# Altium PCB HIVE_BOARD.PcbDoc (part 1 of 9) (continued)
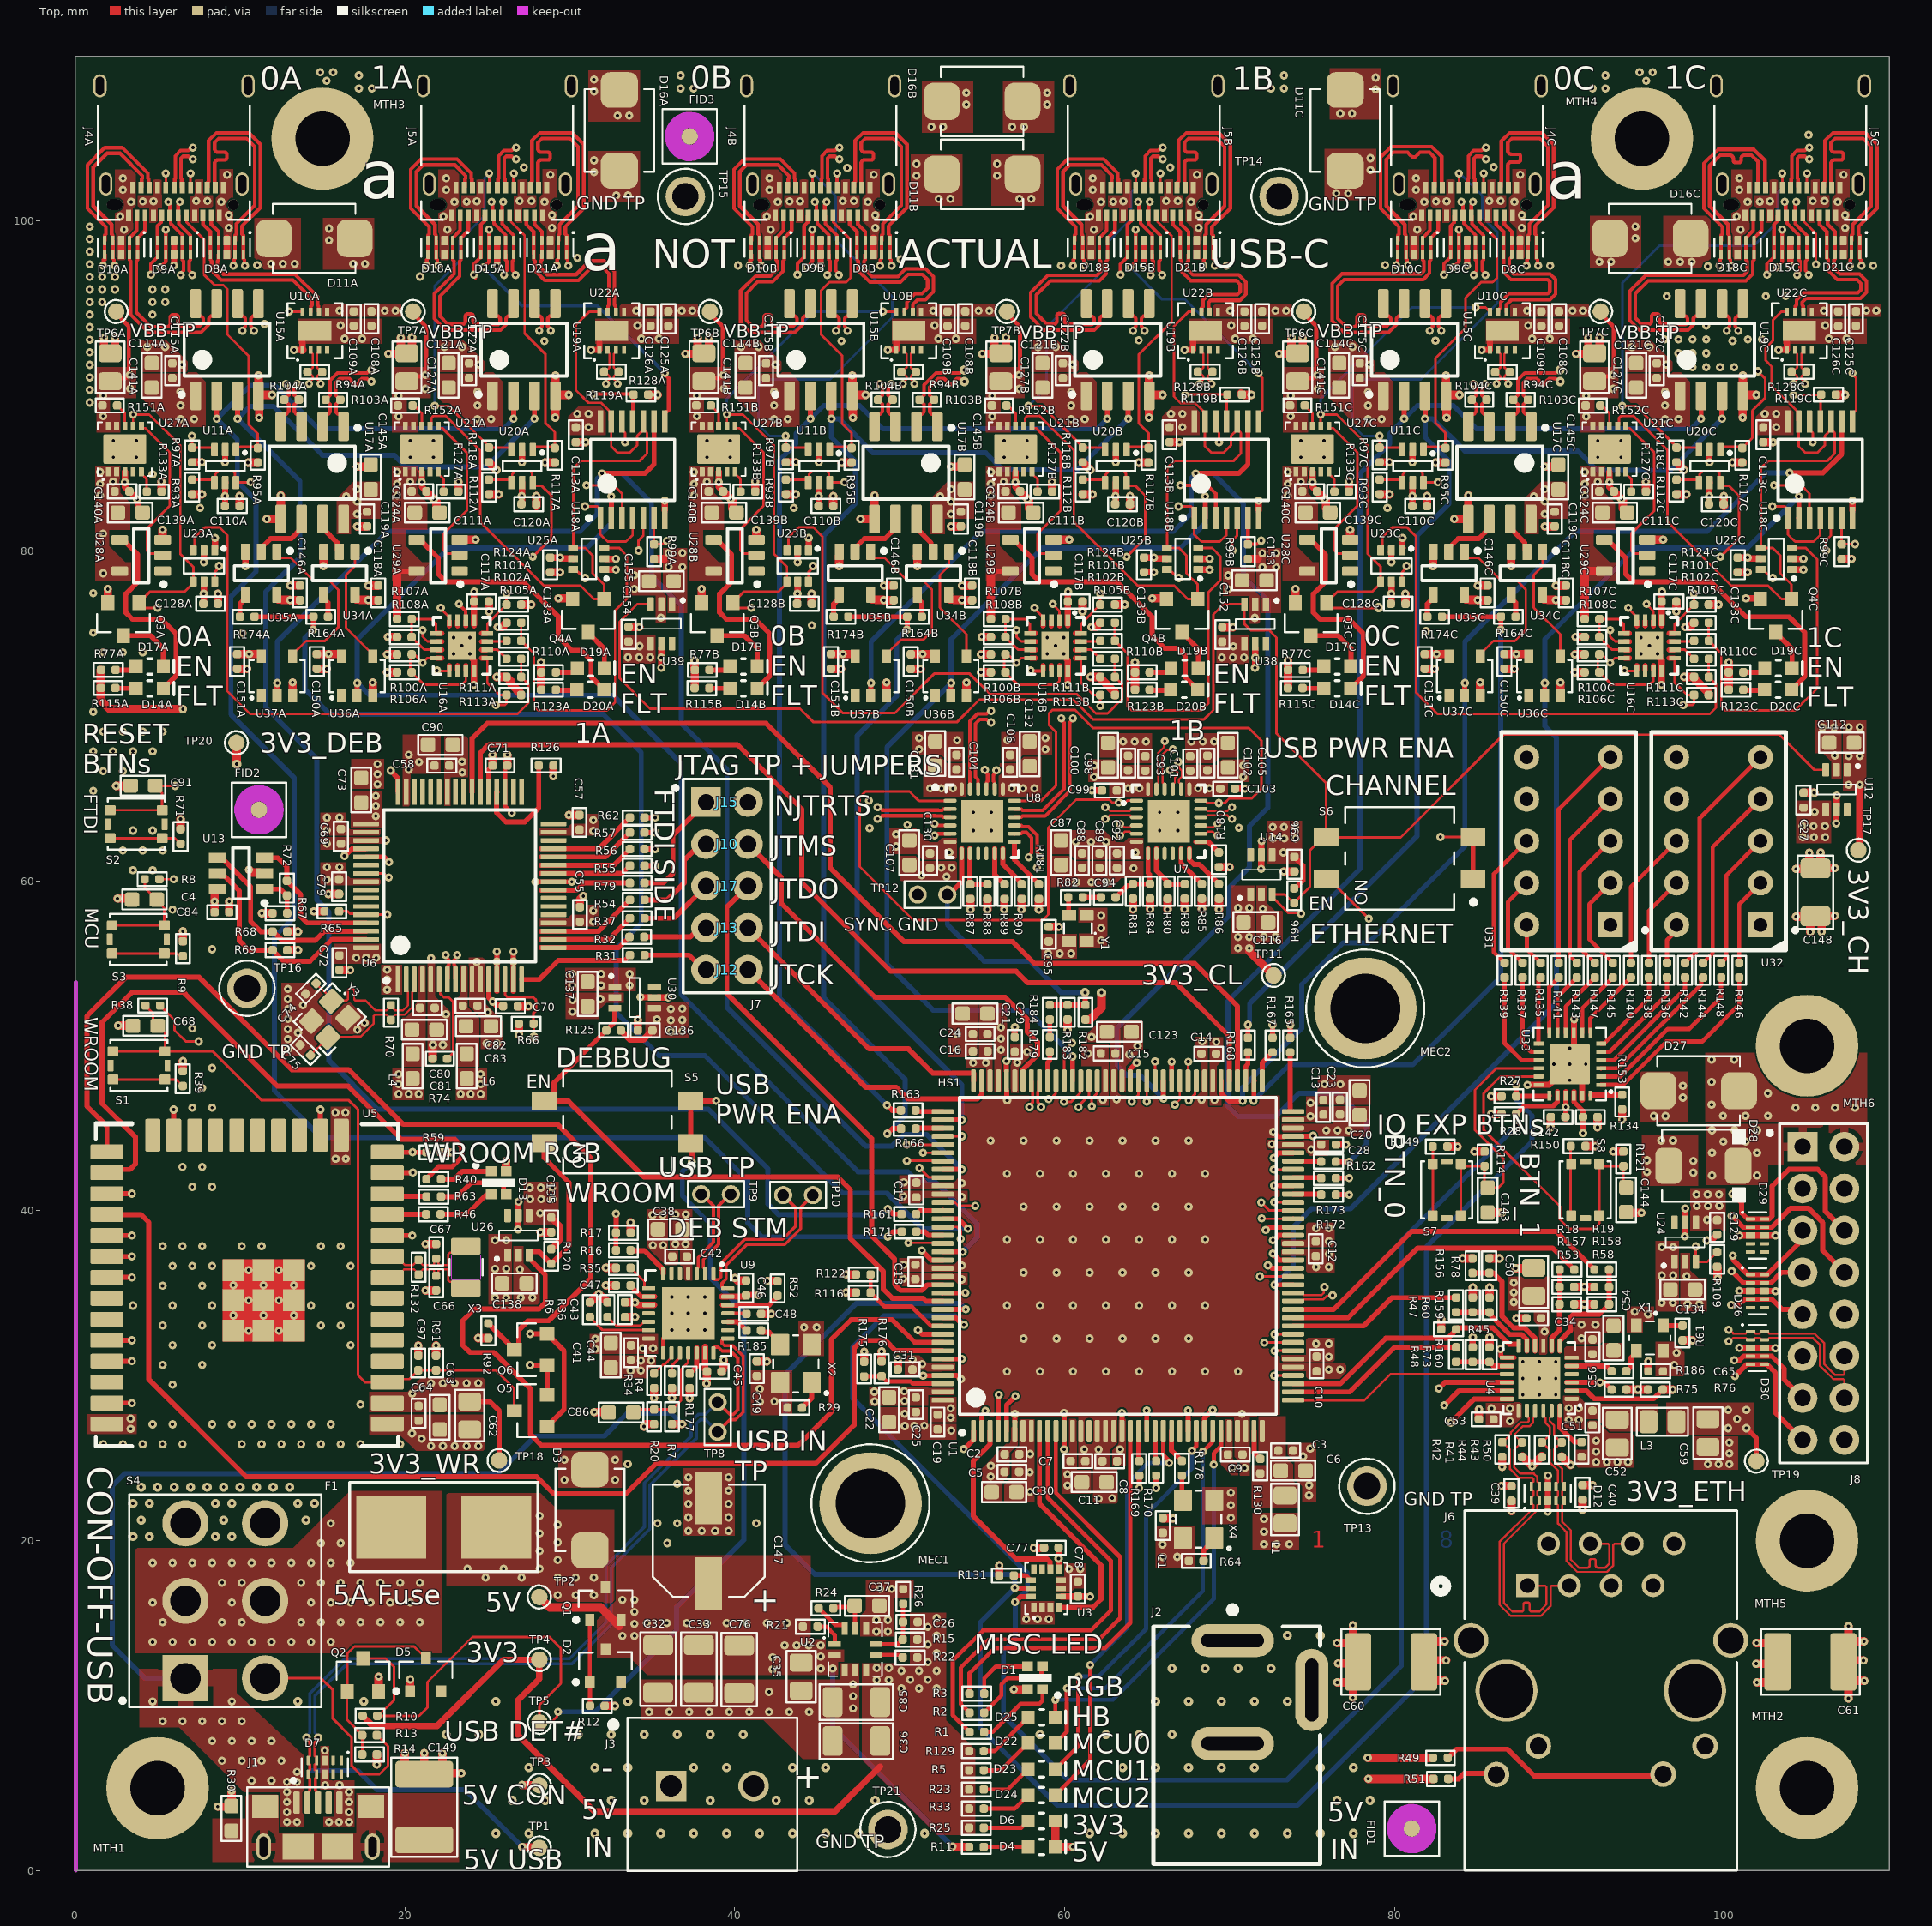
[diagram p0: Top view]
## Classes and differential pairs (continued)
component class "CHAN 0A + 1A": C108A C109A C110A C111A C113A C114A C115A C117A C118A C119A C120A C121A C122A C124A C125A C126A C127A C128A C133A C139A C140A C141A C145A C146A C150A C151A D8A D9A D10A D11A D14A D15A D16A D17A D18A D19A D20A D21A J4A J5A Q3A Q4A R77A R93A R94A R95A R97A R99A R100A R101A R102A R103A R104A R105A R106A R107A R108A R110A R111A R112A R113A R115A R117A R118A R119A R123A R124A R127A R128A R133A R151A R152A R154A R155A R164A R174A TP6A TP7A U10A U11A U15A U16A U17A U18A U19A U20A U21A U22A U23A U25A U27A U28A U29A U34A U35A U36A U37A
differential pair 12M_X: +12M_X_P -12M_X_N
differential pair MEZ_ADC1: +MEZ_ADC1_P -MEZ_ADC1_N
differential pair USB_STM_D: +USB_STM_D_P -USB_STM_D_N
differential pair USB_D: +USB_D_P -USB_D_N
differential pair USB_DEBUG: +USB_DEBUG_P -USB_DEBUG_N
differential pair SYNC_1C: +SYNC_1C_P -SYNC_1C_N
differential pair SYNC_1B: +SYNC_1B_P -SYNC_1B_N
differential pair SYNC_1A: +SYNC_1A_P -SYNC_1A_N
differential pair SYNC_0C: +SYNC_0C_P -SYNC_0C_N
differential pair SYNC_0B: +SYNC_0B_P -SYNC_0B_N
differential pair SYNC_0A: +SYNC_0A_P -SYNC_0A_N
differential pair ETH_TX: +ETH_TX_P -ETH_TX_N
differential pair ETH_RX: +ETH_RX_P -ETH_RX_N
differential pair CLK_1C: +CLK_1C_P -CLK_1C_N
differential pair CLK_1B: +CLK_1B_P -CLK_1B_N
differential pair CLK_1A: +CLK_1A_P -CLK_1A_N
differential pair CLK_0C: +CLK_0C_P -CLK_0C_N
differential pair CLK_0B: +CLK_0B_P -CLK_0B_N
differential pair CLK_0A: +CLK_0A_P -CLK_0A_N
differential pair BB_SPI_MOSI_1C: +BB_SPI_MOSI_1B_P -BB_SPI_MOSI_1B_N
differential pair BB_SPI_MOSI_1B: +BB_SPI_MOSI_1C_P -BB_SPI_MOSI_1C_N
differential pair BB_SPI_MOSI_1A: +BB_SPI_MOSI_1A_P -BB_SPI_MOSI_1A_N
differential pair BB_SPI_MOSI_0C: +BB_SPI_MOSI_0B_P -BB_SPI_MOSI_0B_N
differential pair BB_SPI_MOSI_0B: +BB_SPI_MOSI_0C_P -BB_SPI_MOSI_0C_N
differential pair BB_SPI_MOSI_0A: +BB_SPI_MOSI_0A_P -BB_SPI_MOSI_0A_N
differential pair BB_SPI_MISO_1C: +BB_SPI_MISO_1B_P -BB_SPI_MISO_1B_N
differential pair BB_SPI_MISO_1B: +BB_SPI_MISO_1C_P -BB_SPI_MISO_1C_N
differential pair BB_SPI_MISO_1A: +BB_SPI_MISO_1A_P -BB_SPI_MISO_1A_N
differential pair BB_SPI_MISO_0C: +BB_SPI_MISO_0B_P -BB_SPI_MISO_0B_N
differential pair BB_SPI_MISO_0B: +BB_SPI_MISO_0C_P -BB_SPI_MISO_0C_N
differential pair BB_SPI_MISO_0A: +BB_SPI_MISO_0A_P -BB_SPI_MISO_0A_N
differential pair BB_SPI_CLK_1C: +BB_SPI_CLK_1B_P -BB_SPI_CLK_1B_N
differential pair BB_SPI_CLK_1B: +BB_SPI_CLK_1C_P -BB_SPI_CLK_1C_N
differential pair BB_SPI_CLK_1A: +BB_SPI_CLK_1A_P -BB_SPI_CLK_1A_N
differential pair BB_SPI_CLK_0C: +BB_SPI_CLK_0B_P -BB_SPI_CLK_0B_N
differential pair BB_SPI_CLK_0B: +BB_SPI_CLK_0C_P -BB_SPI_CLK_0C_N
differential pair BB_SPI_CLK_0A: +BB_SPI_CLK_0A_P -BB_SPI_CLK_0A_N
differential pair BB_CLK_1C: +BB_CLK_1B_P -BB_CLK_1B_N
differential pair BB_CLK_1B: +BB_CLK_1C_P -BB_CLK_1C_N
differential pair BB_CLK_1A: +BB_CLK_1A_P -BB_CLK_1A_N
differential pair BB_CLK_0C: +BB_CLK_0B_P -BB_CLK_0B_N
differential pair BB_CLK_0B: +BB_CLK_0C_P -BB_CLK_0C_N
differential pair BB_CLK_0A: +BB_CLK_0A_P -BB_CLK_0A_N
differential pair 32K_X: +32K_X_P -32K_X_N

## Components (designator, comment, footprint, x,y, rotation, side; value= is the part's Value field where it differs from the comment)
C1 "CGA2B3X7R1E104K050BB" CAP_CER_0402 65.946,20.919 r270 top value=100nF
C2 "CGA2B3X7R1E104K050BB" CAP_CER_0402 56.806,25.237 r180 top value=100nF
C3 "CGA2B3X7R1E104K050BB" CAP_CER_0402 73.393,25.468 r180 top value=100nF
C4 "C0603C105K8PACTU" CAP_CER_0603 4.21,58.871 r180 top value=1uF
C5 "CGA2B3X7R1E104K050BB" CAP_CER_0402 56.793,24.171 r0 top value=100nF
C6 "C0603C105K8PACTU" CAP_CER_0603 73.85,24.249 r0 top value=1uF
C7 "CGA2B3X7R1E104K050BB" CAP_CER_0402 60.805,24.825 r0 top value=100nF
C8 "CGA2B3X7R1E104K050BB" CAP_CER_0402 62.732,24.821 r180 top value=100nF
C9 "CGA2B3X7R1E104K050BB" CAP_CER_0402 70.333,25.222 r0 top value=100nF
C10 "CGA2B3X7R1E104K050BB" CAP_CER_0402 75.27,30.713 r270 top value=100nF
C11 "CL10A475MA8NQNC" CAP_CER_0603 61.796,23.551 r180 top value=4.7uF
C12 "CGA2B3X7R1E104K050BB" CAP_CER_0402 75.22,37.696 r270 top value=100nF
C13 "CGA2B3X7R1E104K050BB" CAP_CER_0402 75.682,46.272 r90 top value=100nF
C14 "CGA2B3X7R1E104K050BB" CAP_CER_0402 68.73,49.514 r180 top value=100nF
C15 "CGA2B3X7R1E104K050BB" CAP_CER_0402 62.636,49.53 r0 top value=100nF
C16 "CGA2B3X7R1E104K050BB" CAP_CER_0402 54.879,49.664 r180 top value=100nF
C17 "CGA2B3X7R1E104K050BB" CAP_CER_0402 51.003,41.262 r90 top value=100nF
C18 "CGA2B3X7R1E104K050BB" CAP_CER_0402 50.945,36.295 r90 top value=100nF
C19 "CGA2B3X7R1E104K050BB" CAP_CER_0402 52.29,27.191 r270 top value=100nF
C20 "CL10A475MA8NQNC" CAP_CER_0603 77.878,46.545 r270 top value=4.7uF
C21 "CL10A475MA8NQNC" CAP_CER_0603 54.567,51.955 r0 top value=4.7uF
C22 "CL10A475MA8NQNC" CAP_CER_0603 49.352,27.94 r90 top value=4.7uF
C23 "CGA2B3X7R1E104K050BB" CAP_CER_0402 76.69,46.286 r270 top value=100nF
C24 "CGA2B3X7R1E104K050BB" CAP_CER_0402 54.874,50.715 r0 top value=100nF
C25 "CGA2B3X7R1E104K050BB" CAP_CER_0402 50.977,28.24 r90 top value=100nF
C26 "CL05C390JB51PNC" CAP_CER_0402 50.641,15.071 r0 top value=39pF
C27 "CGA2B3X7R1E104K050BB" CAP_CER_0402 104.79,64.895 r90 top value=100nF
C28 "C1005X5R1V225K050BC" CAP_CER_0402 76.001,44.017 r180 top value=2.2uF
C29 "C1005X5R1V225K050BC" CAP_CER_0402 56.972,50.083 r270 top value=2.2uF
C30 "C0603C105K8PACTU" CAP_CER_0603 56.329,22.944 r180 top value=1uF
C31 "C1005X5R1V225K050BC" CAP_CER_0402 50.324,30.372 r0 top value=2.2uF
C32 "CL31A226KAHNNNE" CAP_CER_1206 35.354,12.22 r90 top value=22uF
C33 "CL31A226KAHNNNE" CAP_CER_1206 37.818,12.22 r90 top value=22uF
C34 "CGA2B3X7R1E104K050BB" CAP_CER_0402 88.436,33.482 r0 top value=100nF
C35 "LMK212BJ106KG-T" CAP_CER_0805 44.023,11.757 r90 top value=10uF
C36 "CL31A226KAHNNNE" CAP_CER_1206 47.371,7.847 r0 top value=22uF
C37 "C0603C105K8PACTU" CAP_CER_0603 48.013,16.052 r0 top value=1uF
C38 "C0603C105K8PACTU" CAP_CER_0603 36.088,38.877 r180 top value=1uF
C39 "CGA2B3X7R1E104K050BB" CAP_CER_0402 87.086,22.864 r90 top value=100nF
C40 "CGA2B3X7R1E104K050BB" CAP_CER_0402 91.396,22.934 r90 top value=100nF
C41 "CL10A475KP8NNNC" CAP_CER_0603 32.479,31.251 r90 top value=4.7uF
C42 "CGA2B3X7R1E104K050BB" CAP_CER_0402 36.658,37.232 r0 top value=100nF
C43 "CGA2B3X7R1E104K050BB" CAP_CER_0402 33.337,34.003 r90 top value=100nF
C44 "CGA2B3X7R1E104K050BB" CAP_CER_0402 33.706,31.396 r90 top value=100nF
C45 "CGA2B3X7R1E104K050BB" CAP_CER_0402 38.758,30.251 r180 top value=100nF
C46 "CGA2B3X7R1E104K050BB" CAP_CER_0402 40.686,35.318 r270 top value=100nF
C47 "CGA2B3X7R1E104K050BB" CAP_CER_0402 33.238,35.473 r0 top value=100nF
C48 "CGA2B3X7R1E104K050BB" CAP_CER_0402 41.152,33.746 r180 top value=100nF
C49 "CGA2B3X7R1E104K050BB" CAP_CER_0402 41.334,30.422 r270 top value=100nF
C50 "LMK212BJ106KG-T" CAP_CER_0805 88.437,35.682 r270 top value=10uF
C51 "CGA2B3X7R1E104K050BB" CAP_CER_0402 91.999,27.432 r270 top value=100nF
C52 "LMK212BJ106KG-T" CAP_CER_0805 93.497,26.492 r270 top value=10uF
C53 "CGA2B3X7R1E104K050BB" CAP_CER_0402 85.555,27.351 r180 top value=100nF
C54 "C0603C105K8PACTU" CAP_CER_0603 93.269,32.283 r270 top value=1uF
C55 "CGA2B3X7R1E104K050BB" CAP_CER_0402 30.607,57.963 r90 top value=100nF
C56 "CC0402KRX7R9BB471" CAP_CER_0402 91.999,31.75 r270 top value=470pF
C57 "CGA2B3X7R1E104K050BB" CAP_CER_0402 30.582,63.551 r90 top value=100nF
C58 "CGA2B3X7R1E104K050BB" CAP_CER_0402 22.24,66.988 r180 top value=100nF
C59 "LMK212BJ106KG-T" CAP_CER_0805 99.003,26.524 r90 top value=10uF
C60 "885342211009" CAP_CER_1812 79.781,12.649 r180 top value=1nF
C61 "885342211009" CAP_CER_1812 105.213,12.649 r0 top value=1nF
C62 "LMK212BJ106KG-T" CAP_CER_0805 23.926,27.582 r90 top value=10uF
C63 "C0603C105K8PACTU" CAP_CER_0603 22.114,27.484 r270 top value=1uF
C64 "CGA2B3X7R1E104K050BB" CAP_CER_0402 20.831,27.718 r90 top value=100nF
C65 "CGA2B3X7R1E104K050BB" CAP_CER_0402 95.83,30.266 r180 top value=100nF
C66 "CC0402DRNPO9BN8R0" CAP_CER_0402 21.895,35.612 r90 top value=8pF
C67 "CC0402DRNPO9BN8R0" CAP_CER_0402 21.895,37.542 r270 top value=8pF
C68 "C0603C105K8PACTU" CAP_CER_0603 4.262,51.215 r180 top value=1uF
C69 "CGA2B3X7R1E104K050BB" CAP_CER_0402 16.121,62.706 r270 top value=100nF
C70 "CGA2B3X7R1E104K050BB" CAP_CER_0402 26.391,52.4 r0 top value=100nF
C71 "CGA2B3X7R1E104K050BB" CAP_CER_0402 25.758,66.991 r0 top value=100nF
C72 "CGA2B3X7R1E104K050BB" CAP_CER_0402 16.027,55.037 r270 top value=100nF
C73 "C1608X5R1C335K080AC" CAP_CER_0603 17.354,65.503 r270 top value=3.3uF
C74 "CC0402JRNPO9BN120" CAP_CER_0402 14.301,53.466 r45 top value=12pF
C75 "CC0402JRNPO9BN120" CAP_CER_0402 13.96,49.743 r315 top value=12pF
C76 "CL31A226KAHNNNE" CAP_CER_1206 40.266,12.196 r90 top value=22uF
C77 "CGA2B3X7R1E104K050BB" CAP_CER_0402 59.19,19.563 r180 top value=100nF
C78 "CGA2B3X7R1E104K050BB" CAP_CER_0402 60.805,17.074 r90 top value=100nF
C79 "CGA2B3X7R1E104K050BB" CAP_CER_0402 16.005,59.647 r270 top value=100nF
C80 "CGA2B3X7R1E104K050BB" CAP_CER_0402 21.361,52.299 r0 top value=100nF
C81 "CL10A475MA8NQNC" CAP_CER_0603 21.176,50.981 r180 top value=4.7uF
C82 "CGA2B3X7R1E104K050BB" CAP_CER_0402 23.952,52.426 r0 top value=100nF
C83 "CL10A475MA8NQNC" CAP_CER_0603 24.46,51.181 r180 top value=4.7uF
C84 "CGA2B3X7R1E104K050BB" CAP_CER_0402 8.901,58.098 r0 top value=100nF
C85 "CL31A226KAHNNNE" CAP_CER_1206 47.371,10.211 r0 top value=22uF
C86 "C0603C105K8PACTU" CAP_CER_0603 33.095,27.765 r180 top value=1uF
C87 "C0603C105K8PACTU" CAP_CER_0603 59.776,61.712 r270 top value=1uF
C88 "GRM155R71E473KA88J" CAP_CER_0402 61.05,61.229 r90 top value=47nF
C89 "GRM155R71E473KA88J" CAP_CER_0402 62.108,61.229 r90 top value=47nF
C90 "C0603C105K8PACTU" CAP_CER_0603 22.149,68.25 r180 top value=1uF
C91 "C0603C105K8PACTU" CAP_CER_0603 4.117,65.772 r180 top value=1uF
C92 "CL05B472KB5VPNC" CAP_CER_0402 63.172,61.229 r90 top value=4.7nF
C93 "CL05B472KB5VPNC" CAP_CER_0402 64.885,67.116 r270 top value=4.7nF
C94 "CGA2B3X7R1E104K050BB" CAP_CER_0402 62.645,59.003 r180 top value=100nF
C95 "CGA2B3X7R1E104K050BB" CAP_CER_0402 59.035,56.769 r270 top value=100nF
C96 "CGA2B3X7R1E104K050BB" CAP_CER_0402 73.923,61.016 r270 top value=100nF
C97 "CGA2B3X7R1E104K050BB" CAP_CER_0402 20.812,30.771 r270 top value=100nF
C98 "GRM155R71E473KA88J" CAP_CER_0402 63.839,67.141 r270 top value=47nF
C99 "GRM155R71E473KA88J" CAP_CER_0402 62.713,65.481 r0 top value=47nF
C100 "C0603C105K8PACTU" CAP_CER_0603 62.625,67.616 r90 top value=1uF
C101 "CL05B472KB5VPNC" CAP_CER_0402 67.607,67.116 r270 top value=4.7nF
C102 "GRM155R71E473KA88J" CAP_CER_0402 68.649,67.141 r270 top value=47nF
C103 "GRM155R71E473KA88J" CAP_CER_0402 69.875,65.583 r180 top value=47nF
C104 "CGA2B3X7R1E104K050BB" CAP_CER_0402 53.439,67.19 r270 top value=100nF
C105 "C0603C105K8PACTU" CAP_CER_0603 69.895,67.616 r90 top value=1uF
C106 "CGA2B3X7R1E104K050BB" CAP_CER_0402 56.689,67.19 r270 top value=100nF
C107 "C0603C105K8PACTU" CAP_CER_0603 50.582,61.712 r270 top value=1uF
C108A "GRM155R71E473KA88J" CAP_CER_0402 17.969,94.084 r90 top value=47nF (schematic designator C108)
C108B "GRM155R71E473KA88J" CAP_CER_0402 53.969,94.084 r90 top value=47nF (schematic designator C108)
C108C "GRM155R71E473KA88J" CAP_CER_0402 89.969,94.084 r90 top value=47nF (schematic designator C108)
C109A "CL05B472KB5VPNC" CAP_CER_0402 16.896,94.082 r90 top value=4.7nF (schematic designator C109)
C109B "CL05B472KB5VPNC" CAP_CER_0402 52.896,94.082 r90 top value=4.7nF (schematic designator C109)
C109C "CL05B472KB5VPNC" CAP_CER_0402 88.896,94.082 r90 top value=4.7nF (schematic designator C109)
C110A "CGA2B3X7R1E104K050BB" CAP_CER_0402 9.525,82.728 r0 top value=100nF (schematic designator C110)
C110B "CGA2B3X7R1E104K050BB" CAP_CER_0402 45.525,82.728 r0 top value=100nF (schematic designator C110)
C110C "CGA2B3X7R1E104K050BB" CAP_CER_0402 81.525,82.728 r0 top value=100nF (schematic designator C110)
C111A "CL10A475KP8NNNC" CAP_CER_0603 21.348,82.334 r0 top value=4.7uF (schematic designator C111)
C111B "CL10A475KP8NNNC" CAP_CER_0603 57.348,82.334 r0 top value=4.7uF (schematic designator C111)
C111C "CL10A475KP8NNNC" CAP_CER_0603 93.348,82.334 r0 top value=4.7uF (schematic designator C111)
C112 "CL10A475KP8NNNC" CAP_CER_0603 107.093,68.383 r180 top value=4.7uF
C113A "CGA2B3X7R1E104K050BB" CAP_CER_0402 30.355,87.039 r90 top value=100nF (schematic designator C113)
C113B "CGA2B3X7R1E104K050BB" CAP_CER_0402 66.355,87.039 r90 top value=100nF (schematic designator C113)
C113C "CGA2B3X7R1E104K050BB" CAP_CER_0402 102.355,87.039 r90 top value=100nF (schematic designator C113)
C114A "CL10A475KP8NNNC" CAP_CER_0603 4.648,90.653 r90 top value=4.7uF (schematic designator C114)
C114B "CL10A475KP8NNNC" CAP_CER_0603 40.648,90.653 r90 top value=4.7uF (schematic designator C114)
C114C "CL10A475KP8NNNC" CAP_CER_0603 76.648,90.653 r90 top value=4.7uF (schematic designator C114)
C115A "JMK105B7474KVHF" CAP_CER_0402 5.893,90.932 r90 top value=470nF (schematic designator C115)
C115B "JMK105B7474KVHF" CAP_CER_0402 41.893,90.932 r90 top value=470nF (schematic designator C115)
C115C "JMK105B7474KVHF" CAP_CER_0402 77.893,90.932 r90 top value=470nF (schematic designator C115)
C116 "CL10A475KP8NNNC" CAP_CER_0603 71.582,57.493 r0 top value=4.7uF
C117A "CGA2B3X7R1E104K050BB" CAP_CER_0402 24.637,76.939 r180 top value=100nF (schematic designator C117)
C117B "CGA2B3X7R1E104K050BB" CAP_CER_0402 60.637,76.939 r180 top value=100nF (schematic designator C117)
C117C "CGA2B3X7R1E104K050BB" CAP_CER_0402 96.637,76.939 r180 top value=100nF (schematic designator C117)
C118A "JMK105B7474KVHF" CAP_CER_0402 18.385,77.464 r90 top value=470nF (schematic designator C118)
C118B "JMK105B7474KVHF" CAP_CER_0402 54.385,77.464 r90 top value=470nF (schematic designator C118)
C118C "JMK105B7474KVHF" CAP_CER_0402 90.385,77.464 r90 top value=470nF (schematic designator C118)
C119A "JMK105B7474KVHF" CAP_CER_0402 17.707,81.942 r270 top value=470nF (schematic designator C119)
C119B "JMK105B7474KVHF" CAP_CER_0402 53.707,81.942 r270 top value=470nF (schematic designator C119)
C119C "JMK105B7474KVHF" CAP_CER_0402 89.707,81.942 r270 top value=470nF (schematic designator C119)
C120A "CGA2B3X7R1E104K050BB" CAP_CER_0402 27.506,82.842 r0 top value=100nF (schematic designator C120)
C120B "CGA2B3X7R1E104K050BB" CAP_CER_0402 63.506,82.842 r0 top value=100nF (schematic designator C120)
C120C "CGA2B3X7R1E104K050BB" CAP_CER_0402 99.506,82.842 r0 top value=100nF (schematic designator C120)
C121A "CL10A475KP8NNNC" CAP_CER_0603 22.649,90.653 r90 top value=4.7uF (schematic designator C121)
C121B "CL10A475KP8NNNC" CAP_CER_0603 58.649,90.653 r90 top value=4.7uF (schematic designator C121)
C121C "CL10A475KP8NNNC" CAP_CER_0603 94.649,90.653 r90 top value=4.7uF (schematic designator C121)
C122A "JMK105B7474KVHF" CAP_CER_0402 23.893,90.932 r90 top value=470nF (schematic designator C122)
C122B "JMK105B7474KVHF" CAP_CER_0402 59.893,90.932 r90 top value=470nF (schematic designator C122)
C122C "JMK105B7474KVHF" CAP_CER_0402 95.893,90.932 r90 top value=470nF (schematic designator C122)
C123 "CL10A475MA8NQNC" CAP_CER_0603 63.309,50.851 r0 top value=4.7uF
C124A "CGA2B3X7R1E104K050BB" CAP_CER_0402 20.852,83.617 r180 top value=100nF (schematic designator C124)
C124B "CGA2B3X7R1E104K050BB" CAP_CER_0402 56.852,83.617 r180 top value=100nF (schematic designator C124)
C124C "CGA2B3X7R1E104K050BB" CAP_CER_0402 92.852,83.617 r180 top value=100nF (schematic designator C124)
C125A "GRM155R71E473KA88J" CAP_CER_0402 35.969,94.084 r90 top value=47nF (schematic designator C125)
C125B "GRM155R71E473KA88J" CAP_CER_0402 71.969,94.084 r90 top value=47nF (schematic designator C125)
C125C "GRM155R71E473KA88J" CAP_CER_0402 107.969,94.084 r90 top value=47nF (schematic designator C125)
C126A "CL05B472KB5VPNC" CAP_CER_0402 34.896,94.082 r90 top value=4.7nF (schematic designator C126)
C126B "CL05B472KB5VPNC" CAP_CER_0402 70.896,94.082 r90 top value=4.7nF (schematic designator C126)
C126C "CL05B472KB5VPNC" CAP_CER_0402 106.896,94.082 r90 top value=4.7nF (schematic designator C126)
C127A "LMK212BJ106KG-T" CAP_CER_0805 20.125,91.136 r270 top value=10uF (schematic designator C127)
C127B "LMK212BJ106KG-T" CAP_CER_0805 56.125,91.136 r270 top value=10uF (schematic designator C127)
C127C "LMK212BJ106KG-T" CAP_CER_0805 92.125,91.136 r270 top value=10uF (schematic designator C127)
C128A "CGA2B3X7R1E104K050BB" CAP_CER_0402 8.219,76.802 r180 top value=100nF (schematic designator C128)
C128B "CGA2B3X7R1E104K050BB" CAP_CER_0402 44.219,76.802 r180 top value=100nF (schematic designator C128)
C128C "CGA2B3X7R1E104K050BB" CAP_CER_0402 80.219,76.802 r180 top value=100nF (schematic designator C128)
C129 "CGA2B3X7R1E104K050BB" CAP_CER_0402 99.56,39 r270 top value=100nF
C130 "CGA2B3X7R1E104K050BB" CAP_CER_0402 51.832,61.229 r90 top value=100nF
C131 "C0603C105K8PACTU" CAP_CER_0603 52.146,67.716 r90 top value=1uF
C132 "C0603C105K8PACTU" CAP_CER_0603 57.878,67.704 r90 top value=1uF
C133A "CGA2B3X7R1E104K050BB" CAP_CER_0402 28.807,79.161 r90 top value=100nF (schematic designator C133)
C133B "CGA2B3X7R1E104K050BB" CAP_CER_0402 64.807,79.161 r90 top value=100nF (schematic designator C133)
C133C "CGA2B3X7R1E104K050BB" CAP_CER_0402 100.807,79.161 r90 top value=100nF (schematic designator C133)
C134 "CL10A475KP8NNNC" CAP_CER_0603 97.469,35.227 r0 top value=4.7uF
C135 "CGA2B3X7R1E104K050BB" CAP_CER_0402 28.87,39.147 r270 top value=100nF
C136 "CGA2B3X7R1E104K050BB" CAP_CER_0402 34.563,50.933 r180 top value=100nF
C137 "CL10A475KP8NNNC" CAP_CER_0603 31.071,53.15 r270 top value=4.7uF
C138 "CL10A475KP8NNNC" CAP_CER_0603 26.629,35.601 r0 top value=4.7uF
C139A "CL10A475KP8NNNC" CAP_CER_0603 3.348,82.334 r0 top value=4.7uF (schematic designator C139)
C139B "CL10A475KP8NNNC" CAP_CER_0603 39.348,82.334 r0 top value=4.7uF (schematic designator C139)
C139C "CL10A475KP8NNNC" CAP_CER_0603 75.348,82.334 r0 top value=4.7uF (schematic designator C139)
C140A "CGA2B3X7R1E104K050BB" CAP_CER_0402 2.852,83.617 r180 top value=100nF (schematic designator C140)
C140B "CGA2B3X7R1E104K050BB" CAP_CER_0402 38.852,83.617 r180 top value=100nF (schematic designator C140)
C140C "CGA2B3X7R1E104K050BB" CAP_CER_0402 74.852,83.617 r180 top value=100nF (schematic designator C140)
C141A "LMK212BJ106KG-T" CAP_CER_0805 2.125,91.136 r270 top value=10uF (schematic designator C141)
C141B "LMK212BJ106KG-T" CAP_CER_0805 38.125,91.136 r270 top value=10uF (schematic designator C141)
C141C "LMK212BJ106KG-T" CAP_CER_0805 74.125,91.136 r270 top value=10uF (schematic designator C141)
C142 "CGA2B3X7R1E104K050BB" CAP_CER_0402 89.909,45.681 r180 top value=100nF
C143 "C0603C105K8PACTU" CAP_CER_0603 85.637,40.649 r270 top value=1uF
C144 "C0603C105K8PACTU" CAP_CER_0603 94.041,40.666 r270 top value=1uF
C145A "CL10A475KP8NNNC" CAP_CER_0603 17.932,84.485 r90 top value=4.7uF (schematic designator C145)
C145B "CL10A475KP8NNNC" CAP_CER_0603 53.932,84.485 r90 top value=4.7uF (schematic designator C145)
C145C "CL10A475KP8NNNC" CAP_CER_0603 89.932,84.485 r90 top value=4.7uF (schematic designator C145)
C146A "JMK105B7474KVHF" CAP_CER_0402 13.635,77.464 r90 top value=470nF (schematic designator C146)
C146B "JMK105B7474KVHF" CAP_CER_0402 49.635,77.464 r90 top value=470nF (schematic designator C146)
C146C "JMK105B7474KVHF" CAP_CER_0402 85.635,77.464 r90 top value=470nF (schematic designator C146)
C147 "APXG160ARA221MF80G" CAP_POLY_APXG160ARA221MF80G 38.417,19.991 r90 top value=220uF
C148 "CL31A226KAHNNNE" CAP_CER_1206 105.516,59.311 r90 top value=22uF
C149 "885342211009" CAP_CER_1812 21.177,3.846 r270 top value=1nF
C150A "CGA2B3X7R1E104K050BB" CAP_CER_0402 14.656,73.304 r270 top value=100nF (schematic designator C150)
C150B "CGA2B3X7R1E104K050BB" CAP_CER_0402 50.666,73.292 r270 top value=100nF (schematic designator C150)
C150C "CGA2B3X7R1E104K050BB" CAP_CER_0402 86.656,73.304 r270 top value=100nF (schematic designator C150)
C151A "CGA2B3X7R1E104K050BB" CAP_CER_0402 9.83,73.304 r270 top value=100nF (schematic designator C151)
C151B "CGA2B3X7R1E104K050BB" CAP_CER_0402 45.83,73.304 r270 top value=100nF (schematic designator C151)
C151C "CGA2B3X7R1E104K050BB" CAP_CER_0402 81.83,73.304 r270 top value=100nF (schematic designator C151)
C152 "CGA2B3X7R1E104K050BB" CAP_CER_0402 69.553,74.935 r90 top value=100nF
C153 "CL10A475KP8NNNC" CAP_CER_0603 71.499,78.227 r180 top value=4.7uF
C154 "CGA2B3X7R1E104K050BB" CAP_CER_0402 33.553,74.946 r90 top value=100nF
C155 "CL10A475KP8NNNC" CAP_CER_0603 35.546,78.164 r180 top value=4.7uF
D1 "EAST1616RGBA3" DIO_EAST1616RGBA3 58.206,11.673 r270 top value=24MHz
D2 "BZX84-B4V3,215" DIO_ZENER_BZX84-B4V3,215 32.156,12.417 r90 top value=4.3V
D3 "SMBJ5.0CA" TVS_PWR_SMBJ5.0CA 31.217,21.869 r90 top value="Vbr = 6.4V -  Clamp = 9.2V"
D4 "SML-D12P8WT86" LED_SML-D12P8WT86 58.608,1.435 r180 top value="560 nm (green)"
D5 "BZX84-B4V3,215" DIO_ZENER_BZX84-B4V3,215 21.272,11.868 r90 top value=4.3V
D6 "SML-D12P8WT86" LED_SML-D12P8WT86 58.608,3.006 r180 top value="560 nm (green)"
D7 "DT1140-04LP-7" TVS_DATA_DT1140-04LP-7 15.146,6.259 r270 top value="5.5V @ 1mA (Reverse Standoff)"
D8A "DT1140-04LP-7" TVS_DATA_DT1140-04LP-7 9.2,98.4 r270 top value="5.5V @ 1mA (Reverse Standoff)" (schematic designator D8)
D8B "DT1140-04LP-7" TVS_DATA_DT1140-04LP-7 48.4,98.4 r270 top value="5.5V @ 1mA (Reverse Standoff)" (schematic designator D8)
D8C "DT1140-04LP-7" TVS_DATA_DT1140-04LP-7 87.6,98.4 r270 top value="5.5V @ 1mA (Reverse Standoff)" (schematic designator D8)
D9A "DT1140-04LP-7" TVS_DATA_DT1140-04LP-7 6,98.4 r270 top value="5.5V @ 1mA (Reverse Standoff)" (schematic designator D9)
D9B "DT1140-04LP-7" TVS_DATA_DT1140-04LP-7 45.2,98.4 r270 top value="5.5V @ 1mA (Reverse Standoff)" (schematic designator D9)
D9C "DT1140-04LP-7" TVS_DATA_DT1140-04LP-7 84.4,98.4 r270 top value="5.5V @ 1mA (Reverse Standoff)" (schematic designator D9)
D10A "DT1140-04LP-7" TVS_DATA_DT1140-04LP-7 2.8,98.4 r270 top value="5.5V @ 1mA (Reverse Standoff)" (schematic designator D10)
D10B "DT1140-04LP-7" TVS_DATA_DT1140-04LP-7 42,98.4 r270 top value="5.5V @ 1mA (Reverse Standoff)" (schematic designator D10)
D10C "DT1140-04LP-7" TVS_DATA_DT1140-04LP-7 81.2,98.4 r270 top value="5.5V @ 1mA (Reverse Standoff)" (schematic designator D10)
D11A "SMBJ5.0CA" TVS_PWR_SMBJ5.0CA 14.5,98.95 r0 top locked value="Vbr = 6.4V -  Clamp = 9.2V" (schematic designator D11)
D11B "SMBJ5.0CA" TVS_PWR_SMBJ5.0CA 54.997,102.84 r0 top locked value="Vbr = 6.4V -  Clamp = 9.2V" (schematic designator D11)
D11C "SMBJ5.0CA" TVS_PWR_SMBJ5.0CA 77,105.5 r90 top locked value="Vbr = 6.4V -  Clamp = 9.2V" (schematic designator D11)
D12 "DT1140-04LP-7" TVS_DATA_DT1140-04LP-7 89.287,22.86 r90 top value="5.5V @ 1mA (Reverse Standoff)"
D13 "EAST1616RGBA3" DIO_EAST1616RGBA3 25.679,41.707 r90 top value=24MHz
D14A "SML-D12U8WT86" LED_SML-D12U8WT86 4.53,71.666 r180 top value="620 nm (red)" (schematic designator D14)
D14B "SML-D12U8WT86" LED_SML-D12U8WT86 40.53,71.666 r180 top value="620 nm (red)" (schematic designator D14)
D14C "SML-D12U8WT86" LED_SML-D12U8WT86 76.53,71.666 r180 top value="620 nm (red)" (schematic designator D14)
D15A "DT1140-04LP-7" TVS_DATA_DT1140-04LP-7 25.6,98.4 r270 top value="5.5V @ 1mA (Reverse Standoff)" (schematic designator D15)
D15B "DT1140-04LP-7" TVS_DATA_DT1140-04LP-7 64.8,98.4 r270 top value="5.5V @ 1mA (Reverse Standoff)" (schematic designator D15)
D15C "DT1140-04LP-7" TVS_DATA_DT1140-04LP-7 104,98.4 r270 top value="5.5V @ 1mA (Reverse Standoff)" (schematic designator D15)
D16A "SMBJ5.0CA" TVS_PWR_SMBJ5.0CA 33,105.5 r90 top locked value="Vbr = 6.4V -  Clamp = 9.2V" (schematic designator D16)
D16B "SMBJ5.0CA" TVS_PWR_SMBJ5.0CA 54.999,107.254 r180 top locked value="Vbr = 6.4V -  Clamp = 9.2V" (schematic designator D16)
D16C "SMBJ5.0CA" TVS_PWR_SMBJ5.0CA 95.5,98.95 r180 top locked value="Vbr = 6.4V -  Clamp = 9.2V" (schematic designator D16)
D17A "SML-D12P8WT86" LED_SML-D12P8WT86 4.53,73 r180 top value="560 nm (green)" (schematic designator D17)
D17B "SML-D12P8WT86" LED_SML-D12P8WT86 40.53,73 r180 top value="560 nm (green)" (schematic designator D17)
D17C "SML-D12P8WT86" LED_SML-D12P8WT86 76.53,73 r180 top value="560 nm (green)" (schematic designator D17)
D18A "DT1140-04LP-7" TVS_DATA_DT1140-04LP-7 22.4,98.4 r270 top value="5.5V @ 1mA (Reverse Standoff)" (schematic designator D18)
D18B "DT1140-04LP-7" TVS_DATA_DT1140-04LP-7 61.6,98.4 r270 top value="5.5V @ 1mA (Reverse Standoff)" (schematic designator D18)
D18C "DT1140-04LP-7" TVS_DATA_DT1140-04LP-7 100.8,98.4 r270 top value="5.5V @ 1mA (Reverse Standoff)" (schematic designator D18)
D19A "SML-D12P8WT86" LED_SML-D12P8WT86 31.267,72.898 r180 top value="560 nm (green)" (schematic designator D19)
D19B "SML-D12P8WT86" LED_SML-D12P8WT86 67.267,72.898 r180 top value="560 nm (green)" (schematic designator D19)
D19C "SML-D12P8WT86" LED_SML-D12P8WT86 103.267,72.898 r180 top value="560 nm (green)" (schematic designator D19)
D20A "SML-D12U8WT86" LED_SML-D12U8WT86 31.248,71.589 r180 top value="620 nm (red)" (schematic designator D20)
D20B "SML-D12U8WT86" LED_SML-D12U8WT86 67.248,71.589 r180 top value="620 nm (red)" (schematic designator D20)
D20C "SML-D12U8WT86" LED_SML-D12U8WT86 103.248,71.589 r180 top value="620 nm (red)" (schematic designator D20)
D21A "DT1140-04LP-7" TVS_DATA_DT1140-04LP-7 28.8,98.4 r270 top value="5.5V @ 1mA (Reverse Standoff)" (schematic designator D21)
D21B "DT1140-04LP-7" TVS_DATA_DT1140-04LP-7 68,98.4 r270 top value="5.5V @ 1mA (Reverse Standoff)" (schematic designator D21)
D21C "DT1140-04LP-7" TVS_DATA_DT1140-04LP-7 107.2,98.4 r270 top value="5.5V @ 1mA (Reverse Standoff)" (schematic designator D21)
D22 "SML-D12P8WT86" LED_SML-D12P8WT86 58.608,7.719 r180 top value="560 nm (green)"
D23 "SML-D12P8WT86" LED_SML-D12P8WT86 58.608,6.148 r180 top value="560 nm (green)"
D24 "SML-D12P8WT86" LED_SML-D12P8WT86 58.608,4.577 r180 top value="560 nm (green)"
D25 "SML-D12P8WT86" LED_SML-D12P8WT86 58.611,9.289 r180 top value="560 nm (green)"
D26 "DT1140-04LP-7" TVS_DATA_DT1140-04LP-7 102,35.132 r0 top value="5.5V @ 1mA (Reverse Standoff)"
D27 "SMBJ5.0CA" TVS_PWR_SMBJ5.0CA 98.436,47.276 r180 top value="Vbr = 6.4V -  Clamp = 9.2V"
D28 "SMLVT3V3" TVS_POW_SMLVT3V3 98.725,42.728 r180 top value="Vbr = 4.1V -  Clamp = 10.3V"
D29 "DT1140-04LP-7" TVS_DATA_DT1140-04LP-7 102,38.5 r0 top value="5.5V @ 1mA (Reverse Standoff)"
D30 "DT1140-04LP-7" TVS_DATA_DT1140-04LP-7 102,31.68 r0 top value="5.5V @ 1mA (Reverse Standoff)"
F1 "0154005.DR" FUS_0154XXX.DR 22.352,20.828 r0 top value="5A 125V AC/DC FAST"
FID1 "FID 1MM" FID_CIRCLE_1MM 81.044,2.546 r0 top
FID2 "FID 1MM" FID_CIRCLE_1MM 11.151,64.313 r0 top
FID3 "FID 1MM" FID_CIRCLE_1MM 37.262,105.131 r0 top
HS1 "ATS-CPX025025015-138-C2-R0" THE_HS_ATS-CPX025025015-138-C2-R0_NOMH 63.226,37.264 r0 top locked
J1 "10118193-0001LF" CON_USB_10118194-0001LF 14.73,1.448 r0 top value="USB - Micro B"
J2 "54-00166" CON_PWR_PJ-002A 70.18,7.695 r270 top value="2.10mm ID (0.083\"), 5.50mm OD (0.217\")"
J3 "1935161" "CON_ 1935161" 36.142,5.126 r0 top
J4A "12401598E4#2A" CON_USB_3.2_TypeC_12401598E4#2A 6,101 r180 top locked value="USB 3.2 Type C" (schematic designator J4)
J4B "12401598E4#2A" CON_USB_3.2_TypeC_12401598E4#2A 45.2,101 r180 top locked value="USB 3.2 Type C" (schematic designator J4)
J4C "12401598E4#2A" CON_USB_3.2_TypeC_12401598E4#2A 84.4,101 r180 top locked value="USB 3.2 Type C" (schematic designator J4)
J5A "12401598E4#2A" CON_USB_3.2_TypeC_12401598E4#2A 25.6,101 r180 top locked value="USB 3.2 Type C" (schematic designator J5)
J5B "12401598E4#2A" CON_USB_3.2_TypeC_12401598E4#2A 64.8,101 r180 top locked value="USB 3.2 Type C" (schematic designator J5)
J5C "12401598E4#2A" CON_USB_3.2_TypeC_12401598E4#2A 104,101 r180 top locked value="USB 3.2 Type C" (schematic designator J5)
J6 "J1B1211CCD" CON_ETH_J1B1211CCD_WIZ 88.69,13.484 r0 top
J7 "PREC005DAAN-RC" CON_HDR_PREC009DAAN-RC 39.529,59.697 r0 top value=5x2
J8 "PREC008DAAN-RC" CON_HDR_PREC008DAAN-RC 106,35 r0 top value=8x2
J10 "SNT-100-BK-T-H" CON_JMP_SNT-100-BK-T-H 39.529,62.237 r180 top
J12 "SNT-100-BK-T-H" CON_JMP_SNT-100-BK-T-H 39.529,54.617 r180 top
J13 "SNT-100-BK-T-H" CON_JMP_SNT-100-BK-T-H 39.529,57.157 r180 top
J15 "SNT-100-BK-T-H" CON_JMP_SNT-100-BK-T-H 39.529,64.777 r180 top
J17 "SNT-100-BK-T-H" CON_JMP_SNT-100-BK-T-H 39.529,59.697 r180 top
L1 "MMZ2012Y202BT000" FER_0805 73.36,21.892 r90 top value="2k @ 100MHz"
L3 "MMZ2012Y202BT000" FER_0805 96.241,27.203 r180 top value="2k @ 100MHz"
L4 "BLM18HE152SN1D" FER_0603 20.464,48.767 r90 top value="1K5 @ 100MHz"
L6 "BLM18HE152SN1D" FER_0603 23.753,48.767 r90 top value="1K5 @ 100MHz"
MEC1 "SMTSO-M3-2ET" MEC_PEM_SMTSO-M3-2ET 48.226,22.264 r0 top value=M3
MEC2 "SMTSO-M3-2ET" MEC_PEM_SMTSO-M3-2ET 78.226,52.264 r0 top value=M3
MTH1 "M3" MTH_M3 5,5 r0 top
MTH2 "M3" MTH_M3 105,5 r0 top
MTH3 "M3" MTH_M3 15,105 r0 top locked
MTH4 "M3" MTH_M3 95,105 r0 top locked
MTH5 "M3" MTH_M3 105,20 r0 top
MTH6 "M3" MTH_M3 105,50 r0 top
Q1 "SI2369DS-T1-GE3" TRX_PMOS_SI2369DS-T1-GE3 32.156,16.18 r90 top
Q2 "BSS138LT1G" TRX_NMOS_BSS138LT1G 17.455,11.861 r90 top
Q3A "BSS138LT1G" TRX_NMOS_BSS138LT1G 2.933,75.87 r270 top (schematic designator Q3)
Q3B "BSS138LT1G" TRX_NMOS_BSS138LT1G 38.933,75.87 r270 top (schematic designator Q3)
Q3C "BSS138LT1G" TRX_NMOS_BSS138LT1G 74.933,75.87 r270 top (schematic designator Q3)
Q4A "BSS138LT1G" TRX_NMOS_BSS138LT1G 31.112,76.091 r270 top (schematic designator Q4)
Q4B "BSS138LT1G" TRX_NMOS_BSS138LT1G 67.112,76.091 r270 top (schematic designator Q4)
Q4C "BSS138LT1G" TRX_NMOS_BSS138LT1G 103.112,76.091 r270 top (schematic designator Q4)
Q5 "BSS138LT1G" TRX_NMOS_BSS138LT1G 27.623,27.873 r180 top
Q6 "BSS138LT1G" TRX_NMOS_BSS138LT1G 27.623,31.579 r180 top
R1 "ERJ-2RKF4750X" RES_0402 54.674,8.399 r180 top value=475R
R2 "ERJ-2RKF4750X" RES_0402 54.674,9.56 r180 top value=475R
R3 "RC0402FR-071KL" RES_0402 54.674,10.721 r180 top value=1k
R4 "RC0402FR-0710KL" RES_0402 36.191,29.696 r90 top value=10k
R5 "ERJ-2RKF4750X" RES_0402 54.65,6.078 r0 top value=475R
R6 "RC0402FR-0710KL" RES_0402 31.215,34.003 r270 top value=10k
R7 "RC0402FR-0710KL" RES_0402 36.191,27.508 r90 top value=10k
R8 "RC0402FR-071KL" RES_0402 4.669,60.105 r0 top value=1k
R9 "RC0402FR-07150RL" RES_0402 6.535,55.892 r270 top value=150R
R10 "RC0402FR-0710KL" RES_0402 17.882,9.373 r0 top value=10k
R11 "RC0402FR-071KL" RES_0402 54.65,1.435 r0 top value=1k
R12 "RC0402FR-071KL" RES_0402 31.665,9.98 r0 top value=1k
R13 "RC0402FR-0710KL" RES_0402 17.856,8.204 r0 top value=10k
R14 "RC0402FR-0710KL" RES_0402 17.856,7.036 r180 top value=10k
R15 "RC0402FR-0747KL" RES_0402 50.62,14.008 r0 top value=47k
R16 "RC0402FR-0710KL" RES_0402 33.238,37.607 r180 top value=10k
R17 "RC0402FR-0710KL" RES_0402 33.239,38.674 r0 top value=10k
R18 "RMCF0402FT10R0" RES_0402 90.448,36.431 r0 top value=10R
R19 "RMCF0402FT10R0" RES_0402 92.558,36.431 r180 top value=10R
R20 "RC0402FR-0710KL" RES_0402 35.109,27.506 r270 top value=10k
R21 "RC0402FR-0710KL" RES_0402 44.573,14.787 r180 top value=10k
R22 "RC0402FR-071KL" RES_0402 50.62,12.915 r180 top value=1k
R23 "ERJ-2RKF4750X" RES_0402 54.65,4.917 r0 top value=475R
R24 "RC0402FR-0710KL" RES_0402 45.523,15.9 r0 top value=10k
R25 "ERJ-2RKF4750X" RES_0402 54.648,2.596 r180 top value=475R
R26 "RC0402FR-0715KL" RES_0402 50.212,16.614 r270 top value=15k
R27 "RC0402FR-071KL" RES_0402 86.927,46.934 r0 top value=1k
R28 "RC0402FR-071KL" RES_0402 86.927,45.861 r0 top value=1k
R29 "RC0402FR-0710KL" RES_0402 43.634,28.058 r0 top value=10k
R30 "RC0603JR-070RL" RES_0603 9.48,3.16 r270 top value=0R
R31 "RC0402FR-07100RP" RES_0402 34.083,55.502 r180 top value=100R
R32 "RC0402FR-07100RP" RES_0402 34.058,56.601 r180 top value=100R
R33 "ERJ-2RKF4750X" RES_0402 54.65,3.757 r0 top value=475R
R34 "RC0402FR-07100KL" RES_0402 35.109,29.694 r270 top value=100k
R35 "RC0402FR-0710KL" RES_0402 33.239,36.54 r0 top value=10k
R36 "RC0402FR-0710KL" RES_0402 32.276,34.003 r270 top value=10k
R37 "RC0402FR-07100RP" RES_0402 34.083,57.741 r180 top value=100R